# KiCad board latentpink.kicad_pcb (continued)
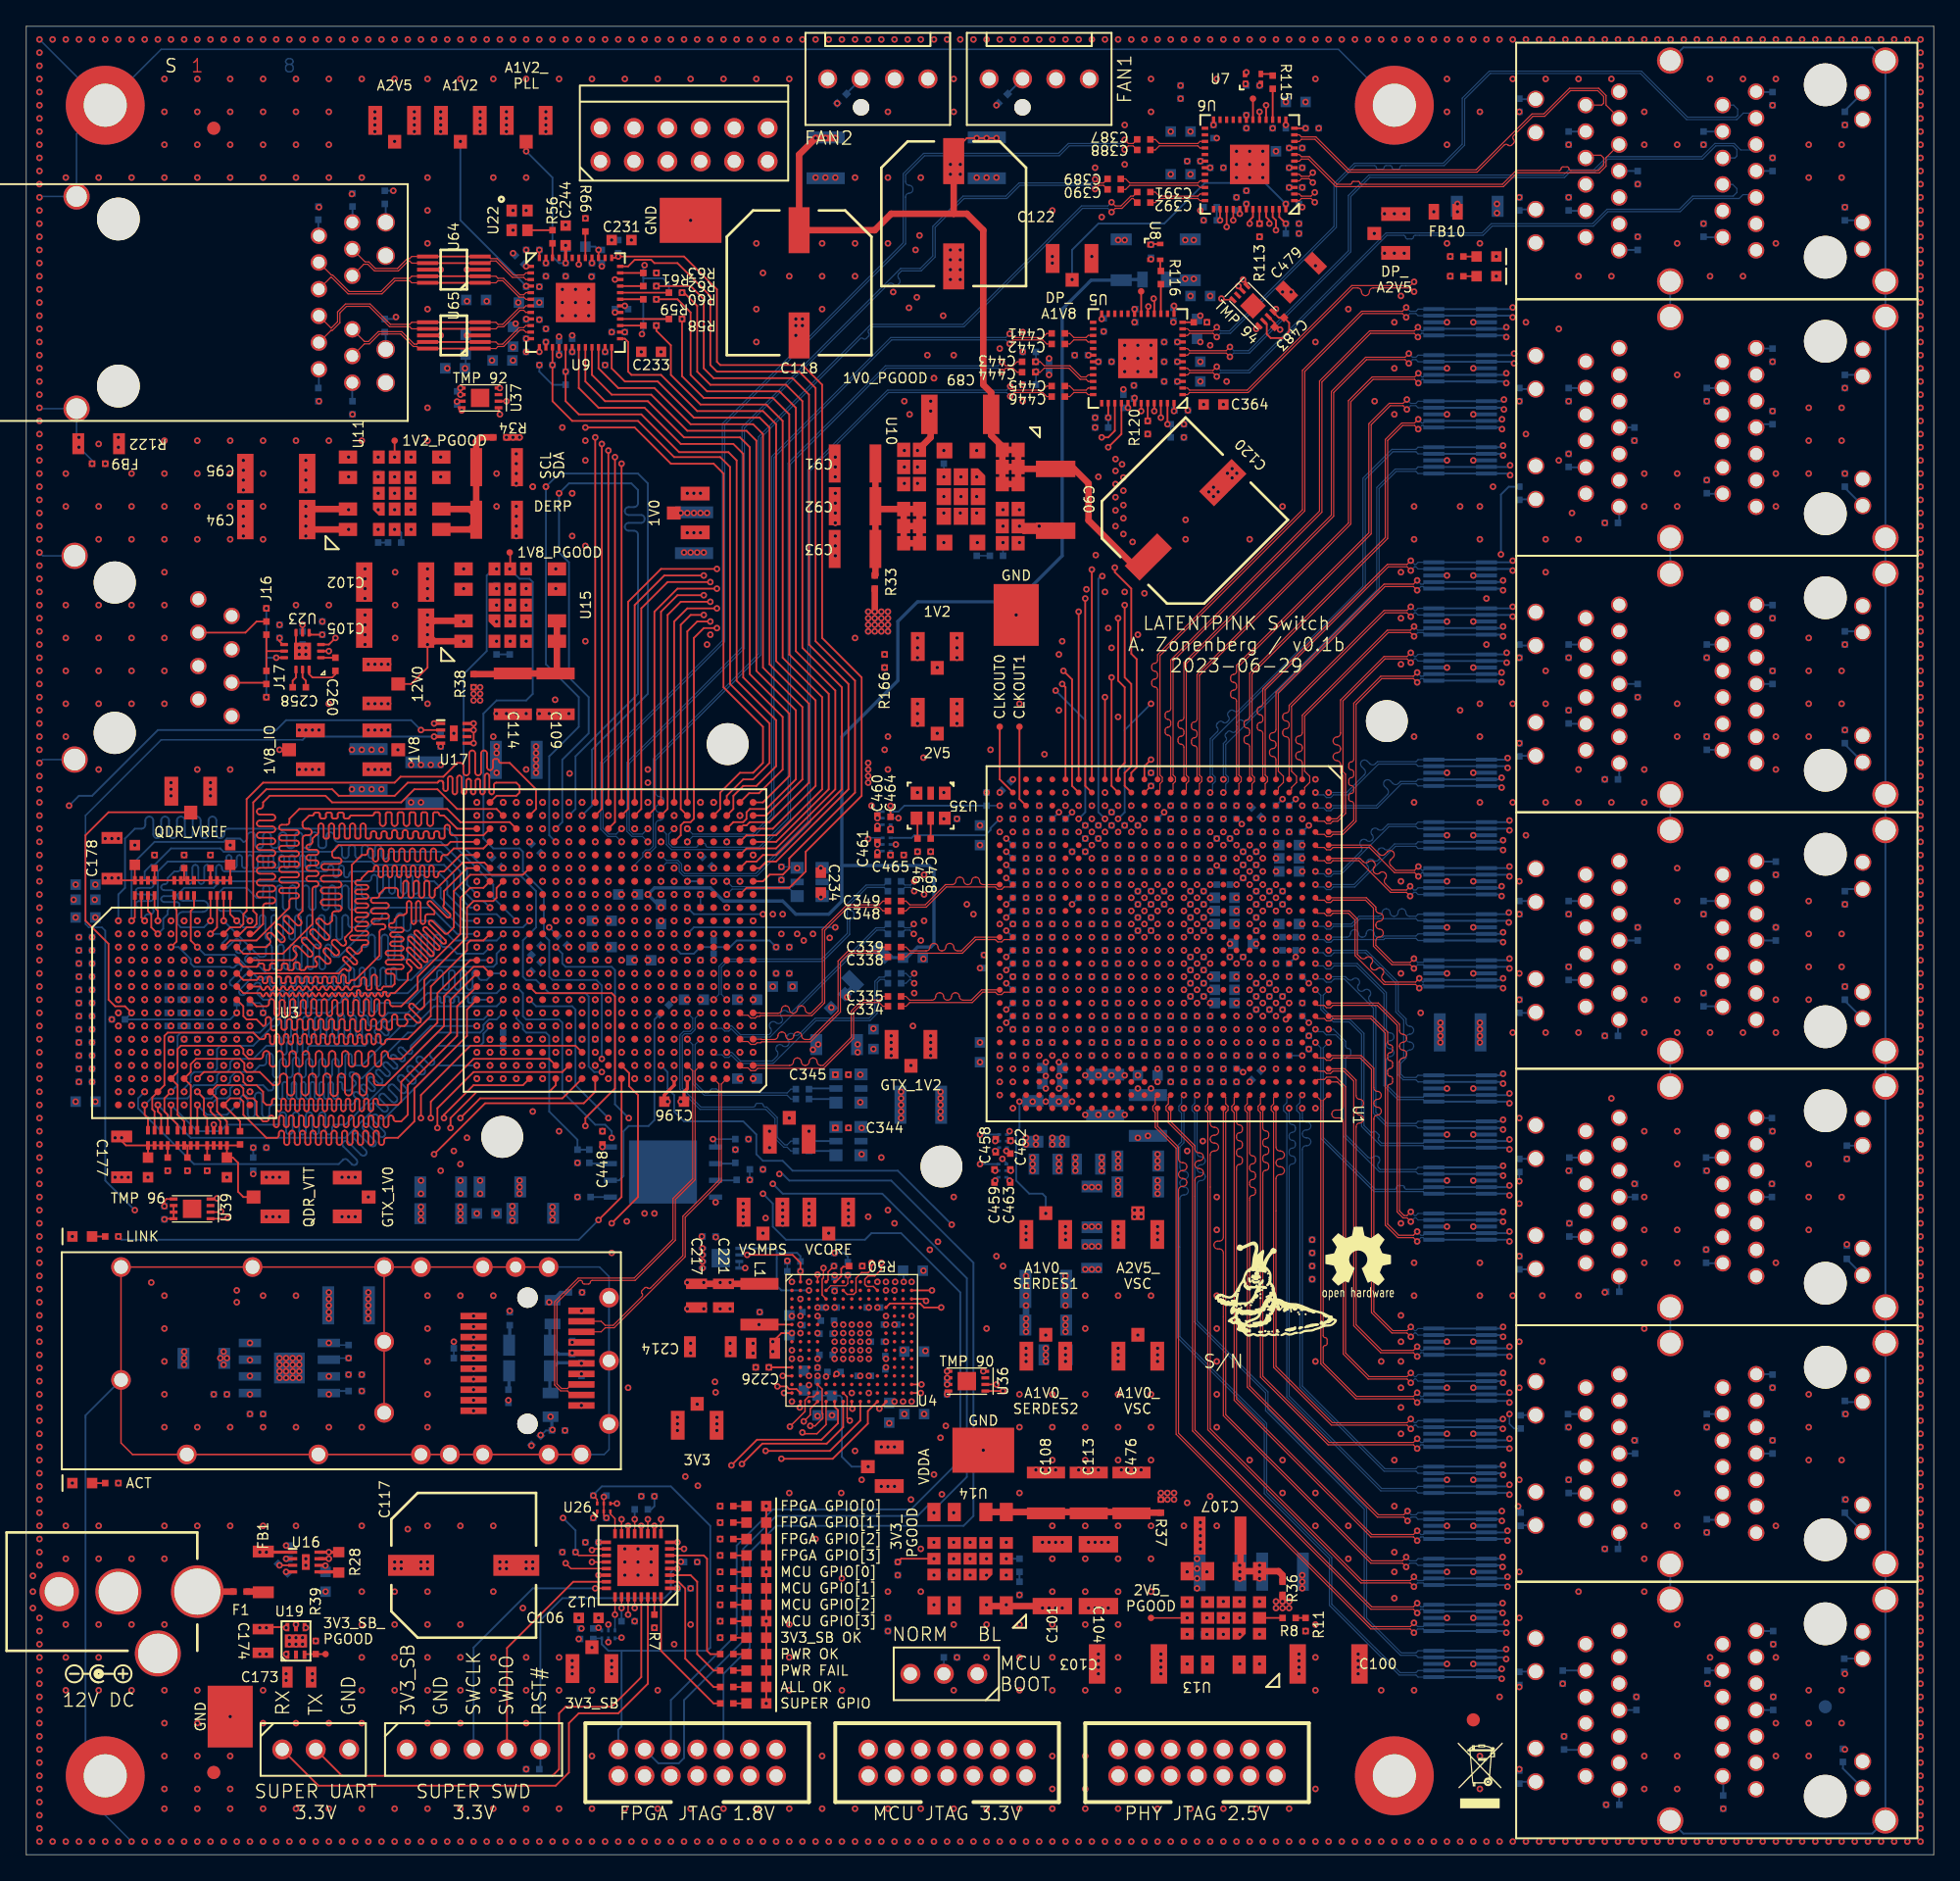
[diagram p0: board, top side]
## Routing (per net, layer and track width the routed paths; a pad name or vN(x,y) marks a point on that pad's centre or on a via; arc(x,y) is an arc through that point) (continued)
/FPGA/QDR SRAM/QDR_A18: length 47
  Top w0.14: v1(9,71) 8.75,71.25 RN2.6
  Bottom w0.14: v1(35.25,72) 34.75,72.5 34,72.5 33,73.5 33,74.75 31.5,76.25 27.75,76.25 arc(27.57,76.18) 27.5,76 27.5,75.95 arc(27.43,75.77) 27.25,75.7 arc(27.07,75.77) 27,75.95 27,76.5 arc(26.93,76.68) 26.75,76.75 arc(26.57,76.68) 26.5,76.5 26.5,76 arc(26.43,75.82) 26.25,75.75 arc(26.07,75.82) 26,76 26,76.5 arc(25.93,76.68) 25.75,76.75 arc(25.57,76.68) 25.5,76.5 25.5,76 arc(25.43,75.82) 25.25,75.75 arc(25.07,75.82) 25,76 25,76.5 arc(24.93,76.68) 24.75,76.75 arc(24.57,76.68) 24.5,76.5 24.5,76 arc(24.43,75.82) 24.25,75.75 arc(24.07,75.82) 24,76 24,76.5 arc(23.93,76.68) 23.75,76.75 arc(23.57,76.68) 23.5,76.5 arc(23.43,76.32) 23.25,76.25 15,76.25 14.75,76.5 11,76.5 9.75,75.25 9.5,75.25 9,74.75 9,74.25 arc(9.07,74.07) 9.25,74 9.43,74 arc(9.61,73.93) 9.68,73.75 arc(9.61,73.57) 9.43,73.5 8.57,73.5 arc(8.39,73.43) 8.32,73.25 arc(8.39,73.07) 8.57,73 9.43,73 arc(9.61,72.93) 9.68,72.75 arc(9.61,72.57) 9.43,72.5 8.57,72.5 arc(8.39,72.43) 8.32,72.25 arc(8.39,72.07) 8.57,72 9.43,72 arc(9.61,71.93) 9.68,71.75 arc(9.61,71.57) 9.43,71.5 9.25,71.5 arc(9.07,71.43) 9,71.25 v1(9,71)
/FPGA/QDR SRAM/QDR_A19: length 47.1
  Top w0.14: v1(16,71) 15.5,71.5 RN1.8
  Bottom w0.14: v1(16,71) 16.5,70.5 17.5,70.5 arc(17.66,70.57) 17.73,70.72 17.73,71.21 arc(17.79,71.37) 17.95,71.44 arc(18.11,71.37) 18.17,71.21 18.17,69.79 arc(18.24,69.63) 18.4,69.56 arc(18.56,69.63) 18.62,69.79 18.62,71.21 arc(18.69,71.37) 18.85,71.44 arc(19.01,71.37) 19.08,71.21 19.08,69.79 arc(19.14,69.63) 19.3,69.56 arc(19.46,69.63) 19.52,69.79 19.52,71.21 arc(19.59,71.37) 19.75,71.44 arc(19.91,71.37) 19.98,71.21 19.98,69.79 arc(20.04,69.63) 20.2,69.56 arc(20.36,69.63) 20.42,69.79 20.42,71.21 arc(20.49,71.37) 20.65,71.44 arc(20.81,71.37) 20.88,71.21 20.88,69.79 arc(20.94,69.63) 21.1,69.56 arc(21.26,69.63) 21.33,69.79 21.33,71.21 arc(21.39,71.37) 21.55,71.44 arc(21.71,71.37) 21.77,71.21 21.77,69.79 arc(21.84,69.63) 22,69.56 arc(22.16,69.63) 22.23,69.79 22.23,71.21 arc(22.29,71.37) 22.45,71.44 arc(22.61,71.37) 22.67,71.21 22.67,69.79 arc(22.74,69.63) 22.9,69.56 arc(23.06,69.63) 23.12,69.79 23.12,71.21 arc(23.19,71.37) 23.35,71.44 arc(23.51,71.37) 23.58,71.21 23.58,69.79 arc(23.64,69.63) 23.8,69.56 arc(23.96,69.63) 24.02,69.79 24.02,71.21 arc(24.09,71.37) 24.25,71.44 arc(24.41,71.37) 24.48,71.21 24.48,70.72 arc(24.54,70.57) 24.7,70.5 25,70.5 26.5,72 30.75,72 32.75,70 v1(34.25,70)
/FPGA/QDR SRAM/QDR_A20: length 46.6
  Top w0.14: RN2.5 8.25,71.25 v1(8,71)
  Bottom w0.14: v1(34.25,73) 33.5,73.75 33.5,75 31.5,77 23.7,77 arc(23.49,77.09) 23.4,77.3 23.4,77.43 arc(23.31,77.64) 23.1,77.73 arc(22.89,77.64) 22.8,77.43 22.8,76.76 arc(22.73,76.59) 22.56,76.52 22.44,76.52 arc(22.27,76.59) 22.2,76.76 22.2,77.43 arc(22.11,77.64) 21.9,77.73 arc(21.69,77.64) 21.6,77.43 21.6,76.76 arc(21.53,76.59) 21.36,76.52 21.24,76.52 arc(21.07,76.59) 21,76.76 21,77.43 arc(20.91,77.64) 20.7,77.73 arc(20.49,77.64) 20.4,77.43 20.4,76.76 arc(20.33,76.59) 20.16,76.52 20.04,76.52 arc(19.87,76.59) 19.8,76.76 19.8,77.43 arc(19.71,77.64) 19.5,77.73 arc(19.29,77.64) 19.2,77.43 19.2,76.76 arc(19.13,76.59) 18.96,76.52 18.84,76.52 arc(18.67,76.59) 18.6,76.76 18.6,77.43 arc(18.51,77.64) 18.3,77.73 arc(18.09,77.64) 18,77.43 18,76.76 arc(17.93,76.59) 17.76,76.52 17.64,76.52 arc(17.47,76.59) 17.4,76.76 17.4,77.43 arc(17.31,77.64) 17.1,77.73 arc(16.89,77.64) 16.8,77.43 16.8,77.3 arc(16.71,77.09) 16.5,77 16.25,77.25 15.25,77.25 15,77 9.75,77 8,75.25 v1(8,71)
/FPGA/QDR SRAM/QDR_BWS_0_N: length 41.6
  In2.Cu w0.115: v1(13,70) 13.5,70.5 13.5,71.25 14.2,71.95 14.2,75.45 14.5,75.75 14.5,76.9 15.2,77.6 20.6,77.6 21,78 22.6,78 arc(22.69,78.04) 22.73,78.12 arc(22.76,78.21) 22.85,78.25 23.05,78.25 arc(23.14,78.21) 23.17,78.12 23.17,77.88 arc(23.21,77.79) 23.3,77.75 23.5,77.75 arc(23.59,77.79) 23.62,77.88 23.62,78.12 arc(23.66,78.21) 23.75,78.25 23.95,78.25 arc(24.04,78.21) 24.08,78.12 24.08,77.88 arc(24.11,77.79) 24.2,77.75 24.4,77.75 arc(24.49,77.79) 24.52,77.88 24.52,78.12 arc(24.56,78.21) 24.65,78.25 24.85,78.25 arc(24.94,78.21) 24.98,78.12 24.98,77.88 arc(25.01,77.79) 25.1,77.75 25.3,77.75 arc(25.39,77.79) 25.42,77.88 25.42,78.12 arc(25.46,78.21) 25.55,78.25 25.75,78.25 arc(25.84,78.21) 25.88,78.12 25.88,77.88 arc(25.91,77.79) 26,77.75 26.2,77.75 arc(26.29,77.79) 26.33,77.88 26.33,78.12 arc(26.36,78.21) 26.45,78.25 26.65,78.25 arc(26.74,78.21) 26.77,78.12 26.77,77.88 arc(26.81,77.79) 26.9,77.75 27.1,77.75 arc(27.19,77.79) 27.22,77.88 27.22,78.12 arc(27.26,78.21) 27.35,78.25 27.55,78.25 arc(27.64,78.21) 27.67,78.12 27.67,77.88 arc(27.71,77.79) 27.8,77.75 28,77.75 arc(28.09,77.79) 28.12,77.88 28.12,78.12 arc(28.16,78.21) 28.25,78.25 28.45,78.25 arc(28.54,78.21) 28.58,78.12 28.58,77.88 arc(28.61,77.79) 28.7,77.75 28.9,77.75 arc(28.99,77.79) 29.03,77.88 29.03,78.12 arc(29.06,78.21) 29.15,78.25 29.35,78.25 arc(29.44,78.21) 29.47,78.12 29.47,77.88 arc(29.51,77.79) 29.6,77.75 29.8,77.75 arc(29.89,77.79) 29.92,77.88 29.92,78.12 arc(29.96,78.21) 30.05,78.25 30.25,78.25 arc(30.34,78.21) 30.38,78.12 30.38,77.88 arc(30.41,77.79) 30.5,77.75 30.7,77.75 arc(30.79,77.79) 30.83,77.88 30.83,78.12 arc(30.86,78.21) 30.95,78.25 31.15,78.25 arc(31.24,78.21) 31.28,78.12 31.28,77.88 arc(31.31,77.79) 31.4,77.75 31.6,77.75 arc(31.69,77.79) 31.72,77.88 31.72,78.12 arc(31.76,78.21) 31.85,78.25 32.05,78.25 arc(32.14,78.21) 32.17,78.12 32.17,77.88 arc(32.21,77.79) 32.3,77.75 32.5,77.75 arc(32.59,77.79) 32.62,77.88 32.62,78.12 arc(32.66,78.21) 32.75,78.25 32.95,78.25 arc(33.04,78.21) 33.08,78.12 33.08,77.88 arc(33.11,77.79) 33.2,77.75 33.4,77.75 arc(33.49,77.79) 33.53,77.88 33.53,78.12 arc(33.56,78.21) 33.65,78.25 33.85,78.25 arc(33.94,78.21) 33.97,78.12 33.97,77.88 arc(34.01,77.79) 34.1,77.75 34.3,77.75 arc(34.39,77.79) 34.42,77.88 34.42,78 34.43,78 34.43,78.12 arc(34.46,78.21) 34.55,78.25 34.75,78.25 arc(34.84,78.21) 34.88,78.12 arc(34.91,78.04) 35,78 35.5,78 36,77.5 36.75,77.5 v1(37.25,77)
/FPGA/QDR SRAM/QDR_BWS_1_N: length 43.9
  In2.Cu w0.115: v1(13,71) 13,71.6 arc(13.08,71.79) 13.27,71.88 13.38,71.88 arc(13.57,71.96) 13.65,72.15 arc(13.57,72.34) 13.38,72.42 12.67,72.42 arc(12.48,72.51) 12.4,72.7 arc(12.48,72.89) 12.67,72.97 13.38,72.97 arc(13.57,73.06) 13.65,73.25 arc(13.57,73.44) 13.38,73.53 12.67,73.53 arc(12.48,73.61) 12.4,73.8 arc(12.48,73.99) 12.67,74.08 13.38,74.08 arc(13.57,74.16) 13.65,74.35 arc(13.57,74.54) 13.38,74.62 12.95,74.62 arc(12.91,74.64) 12.9,74.67 12.9,75.12 arc(12.91,75.16) 12.95,75.17 13.38,75.17 arc(13.57,75.26) 13.65,75.45 arc(13.57,75.64) 13.38,75.72 13.27,75.72 arc(13.08,75.81) 13,76 13,76.4 15.1,78.5 15.4,78.5 arc(15.52,78.55) 15.57,78.67 arc(15.62,78.79) 15.74,78.84 15.85,78.84 arc(15.97,78.79) 16.02,78.67 16.02,78.5 16.02,78.5 16.02,78.33 arc(16.07,78.21) 16.19,78.16 16.31,78.16 arc(16.43,78.21) 16.48,78.33 16.48,78.67 arc(16.52,78.79) 16.64,78.84 16.76,78.84 arc(16.88,78.79) 16.92,78.67 16.92,78.33 arc(16.97,78.21) 17.09,78.16 17.21,78.16 arc(17.33,78.21) 17.38,78.33 17.38,78.67 arc(17.42,78.79) 17.54,78.84 17.66,78.84 arc(17.78,78.79) 17.83,78.67 17.83,78.33 arc(17.87,78.21) 17.99,78.16 18.11,78.16 arc(18.23,78.21) 18.27,78.33 18.27,78.67 arc(18.32,78.79) 18.44,78.84 18.56,78.84 arc(18.68,78.79) 18.73,78.67 18.73,78.33 arc(18.77,78.21) 18.89,78.16 19.01,78.16 arc(19.13,78.21) 19.17,78.33 19.17,78.67 arc(19.22,78.79) 19.34,78.84 19.46,78.84 arc(19.58,78.79) 19.62,78.67 arc(19.67,78.55) 19.79,78.5 36.75,78.5 37.75,77.5 38.75,77.5 v1(39.25,78)
/FPGA/QDR SRAM/QDR_BWS_2_N: length 40
  In2.Cu w0.115: v1(11,71) 11,72.75 11.25,73 11.25,78 11.75,78.5 12.5,78.5 13.5,79.5 14.75,79.5 15.75,80.5 19.9,80.5 arc(20.06,80.43) 20.12,80.28 20.12,80.17 arc(20.19,80.02) 20.35,79.95 arc(20.51,80.02) 20.58,80.17 20.58,80.62 arc(20.61,80.71) 20.7,80.75 20.9,80.75 arc(20.99,80.71) 21.02,80.62 21.02,80.17 arc(21.09,80.02) 21.25,79.95 arc(21.41,80.02) 21.48,80.17 21.48,80.62 arc(21.51,80.71) 21.6,80.75 21.8,80.75 arc(21.89,80.71) 21.92,80.62 21.92,80.17 arc(21.99,80.02) 22.15,79.95 arc(22.31,80.02) 22.38,80.17 22.38,80.62 arc(22.41,80.71) 22.5,80.75 22.7,80.75 arc(22.79,80.71) 22.83,80.62 22.83,80.17 arc(22.89,80.02) 23.05,79.95 arc(23.21,80.02) 23.27,80.17 23.27,80.28 arc(23.34,80.43) 23.5,80.5 23.75,80.5 24.25,80 28.25,80 29,80.75 34.75,80.75 36,79.5 36.75,79.5 v1(37.25,79)
/FPGA/QDR SRAM/QDR_BWS_3_N: length 42.4
  In2.Cu w0.115: v1(11,70) 11.5,69.5 14.25,69.5 14.5,69.75 14.5,71.25 14.75,71.5 14.75,75.25 16.75,77.25 22.58,77.25 arc(22.7,77.2) 22.75,77.08 arc(22.8,76.95) 22.92,76.9 23.13,76.9 arc(23.25,76.95) 23.3,77.08 23.3,77.37 arc(23.34,77.46) 23.42,77.5 23.73,77.5 arc(23.81,77.46) 23.85,77.37 23.85,77.08 arc(23.9,76.95) 24.02,76.9 24.23,76.9 arc(24.35,76.95) 24.4,77.08 24.4,77.4 arc(24.44,77.5) 24.55,77.55 24.8,77.55 arc(24.91,77.5) 24.95,77.4 24.95,77.08 arc(25,76.95) 25.12,76.9 25.33,76.9 arc(25.45,76.95) 25.5,77.08 25.5,77.4 arc(25.54,77.5) 25.65,77.55 25.9,77.55 arc(26.01,77.5) 26.05,77.4 26.05,77.08 arc(26.1,76.95) 26.22,76.9 26.43,76.9 arc(26.55,76.95) 26.6,77.08 26.6,77.37 arc(26.64,77.46) 26.72,77.5 27.03,77.5 arc(27.11,77.46) 27.15,77.37 27.15,77.08 arc(27.2,76.95) 27.32,76.9 27.53,76.9 arc(27.65,76.95) 27.7,77.08 27.7,77.37 arc(27.74,77.46) 27.82,77.5 28.13,77.5 arc(28.21,77.46) 28.25,77.37 28.25,77.08 arc(28.3,76.95) 28.42,76.9 28.63,76.9 arc(28.75,76.95) 28.8,77.08 28.8,77.37 arc(28.84,77.46) 28.92,77.5 29.23,77.5 arc(29.31,77.46) 29.35,77.37 29.35,77.08 arc(29.4,76.95) 29.52,76.9 29.73,76.9 arc(29.85,76.95) 29.9,77.08 29.9,77.42 arc(29.95,77.55) 30.07,77.6 30.28,77.6 arc(30.4,77.55) 30.45,77.42 30.45,77.08 arc(30.5,76.95) 30.62,76.9 30.83,76.9 arc(30.95,76.95) 31,77.08 31,77.37 arc(31.04,77.46) 31.12,77.5 31.43,77.5 arc(31.51,77.46) 31.55,77.37 31.55,77.08 arc(31.6,76.95) 31.72,76.9 31.93,76.9 arc(32.05,76.95) 32.1,77.08 32.1,77.37 arc(32.14,77.46) 32.22,77.5 32.53,77.5 arc(32.61,77.46) 32.65,77.37 32.65,77.08 arc(32.7,76.95) 32.82,76.9 33.03,76.9 arc(33.15,76.95) 33.2,77.08 33.2,77.37 arc(33.24,77.46) 33.32,77.5 33.63,77.5 arc(33.71,77.46) 33.75,77.37 33.75,77.08 arc(33.8,76.95) 33.92,76.9 34.13,76.9 arc(34.25,76.95) 34.3,77.08 34.3,77.25 34.3,77.4 arc(34.34,77.5) 34.45,77.55 34.7,77.55 arc(34.81,77.5) 34.85,77.4 arc(34.89,77.29) 35,77.25 35.5,77.25 35.75,77 v1(36.25,77)
/FPGA/QDR SRAM/QDR_CQ_N: length 54
  Bottom w0.14: v1(7,71) 7,73 7.5,73.5 7.5,77.25 8.25,78 8.75,78 arc(8.96,78.09) 9.05,78.3 9.05,78.62 arc(9.14,78.83) 9.35,78.92 arc(9.56,78.83) 9.65,78.62 9.65,77.58 arc(9.74,77.37) 9.95,77.28 arc(10.16,77.37) 10.25,77.58 10.25,78.62 arc(10.34,78.83) 10.55,78.92 arc(10.76,78.83) 10.85,78.62 10.85,77.58 arc(10.94,77.37) 11.15,77.28 arc(11.36,77.37) 11.45,77.58 11.45,78.62 arc(11.54,78.83) 11.75,78.92 arc(11.96,78.83) 12.05,78.62 12.05,77.58 arc(12.14,77.37) 12.35,77.28 arc(12.56,77.37) 12.65,77.58 12.65,78.62 arc(12.74,78.83) 12.95,78.92 arc(13.16,78.83) 13.25,78.62 13.25,77.58 arc(13.34,77.37) 13.55,77.28 arc(13.76,77.37) 13.85,77.58 13.85,78.62 arc(13.94,78.83) 14.15,78.92 arc(14.36,78.83) 14.45,78.62 14.45,77.58 arc(14.54,77.37) 14.75,77.28 arc(14.96,77.37) 15.05,77.58 15.05,77.7 arc(15.14,77.91) 15.35,78 32,78 32.75,77.25 32.75,76.5 35.5,73.75 35.5,72.75 v1(37.25,71)
/FPGA/QDR SRAM/QDR_CQ_P: length 54
  Bottom w0.14: v1(17,71) 16.25,71.75 14.75,71.75 14.5,72 14.5,73 15,73.5 16.75,73.5 17.5,72.75 17.75,72.75 arc(17.93,72.82) 18,73 18,73.44 arc(18.07,73.61) 18.25,73.69 arc(18.43,73.61) 18.5,73.44 18.5,72.06 arc(18.57,71.89) 18.75,71.81 arc(18.93,71.89) 19,72.06 19,73.44 arc(19.07,73.61) 19.25,73.69 arc(19.43,73.61) 19.5,73.44 19.5,72.06 arc(19.57,71.89) 19.75,71.81 arc(19.93,71.89) 20,72.06 20,73.44 arc(20.07,73.61) 20.25,73.69 arc(20.43,73.61) 20.5,73.44 20.5,72.06 arc(20.57,71.89) 20.75,71.81 arc(20.93,71.89) 21,72.06 21,73.44 arc(21.07,73.61) 21.25,73.69 arc(21.43,73.61) 21.5,73.44 21.5,72.06 arc(21.57,71.89) 21.75,71.81 arc(21.93,71.89) 22,72.06 22,73.44 arc(22.07,73.61) 22.25,73.69 arc(22.43,73.61) 22.5,73.44 22.5,72.06 arc(22.57,71.89) 22.75,71.81 arc(22.93,71.89) 23,72.06 23,73.44 arc(23.07,73.61) 23.25,73.69 arc(23.43,73.61) 23.5,73.44 23.5,72.06 arc(23.57,71.89) 23.75,71.81 arc(23.93,71.89) 24,72.06 24,73.44 arc(24.07,73.61) 24.25,73.69 arc(24.43,73.61) 24.5,73.44 24.5,72.06 arc(24.57,71.89) 24.75,71.81 arc(24.93,71.89) 25,72.06 25,73.44 arc(25.07,73.61) 25.25,73.69 arc(25.43,73.61) 25.5,73.44 25.5,73 arc(25.57,72.82) 25.75,72.75 30.75,72.75 33,70.5 37.75,70.5 v1(38.25,71)
/FPGA/QDR SRAM/QDR_D0: length 38
  In2.Cu w0.115: v1(16,58) 16.5,57.5 17.25,57.5 arc(17.34,57.54) 17.38,57.62 arc(17.41,57.71) 17.5,57.75 17.55,57.75 arc(17.64,57.71) 17.67,57.62 17.67,57.38 arc(17.71,57.29) 17.8,57.25 17.85,57.25 arc(17.94,57.29) 17.98,57.38 17.98,57.62 arc(18.01,57.71) 18.1,57.75 18.15,57.75 arc(18.24,57.71) 18.27,57.62 18.27,57.38 arc(18.31,57.29) 18.4,57.25 18.45,57.25 arc(18.54,57.29) 18.58,57.38 18.58,57.62 arc(18.61,57.71) 18.7,57.75 18.75,57.75 arc(18.84,57.71) 18.88,57.62 18.88,57.38 arc(18.91,57.29) 19,57.25 19.05,57.25 arc(19.14,57.29) 19.17,57.38 19.17,57.62 arc(19.21,57.71) 19.3,57.75 19.35,57.75 arc(19.44,57.71) 19.48,57.62 19.48,57.38 arc(19.51,57.29) 19.6,57.25 19.65,57.25 arc(19.74,57.29) 19.77,57.38 19.77,57.62 arc(19.81,57.71) 19.9,57.75 19.95,57.75 arc(20.04,57.71) 20.08,57.62 20.08,57.38 arc(20.11,57.29) 20.2,57.25 20.25,57.25 arc(20.34,57.29) 20.38,57.38 20.38,57.62 arc(20.41,57.71) 20.5,57.75 20.55,57.75 arc(20.64,57.71) 20.67,57.62 arc(20.71,57.54) 20.8,57.5 21,57.5 21.5,58 arc(21.61,58.04) 21.65,58.15 21.65,58.59 arc(21.69,58.69) 21.8,58.74 arc(21.91,58.69) 21.95,58.59 21.95,57.41 arc(21.99,57.31) 22.1,57.26 arc(22.21,57.31) 22.25,57.41 22.25,58.09 arc(22.28,58.16) 22.34,58.19 22.46,58.19 arc(22.52,58.16) 22.55,58.09 22.55,57.41 arc(22.59,57.31) 22.7,57.26 arc(22.81,57.31) 22.85,57.41 22.85,58.09 arc(22.88,58.16) 22.94,58.19 23.06,58.19 arc(23.12,58.16) 23.15,58.09 23.15,57.41 arc(23.19,57.31) 23.3,57.26 arc(23.41,57.31) 23.45,57.41 23.45,58.12 arc(23.48,58.2) 23.57,58.24 23.63,58.24 arc(23.72,58.2) 23.75,58.12 23.75,57.41 arc(23.79,57.31) 23.9,57.26 arc(24.01,57.31) 24.05,57.41 24.05,58.14 arc(24.09,58.25) 24.19,58.29 24.21,58.29 arc(24.31,58.25) 24.35,58.14 24.35,57.41 arc(24.39,57.31) 24.5,57.26 arc(24.61,57.31) 24.65,57.41 24.65,58.12 arc(24.68,58.2) 24.77,58.24 24.83,58.24 arc(24.92,58.2) 24.95,58.12 24.95,57.41 arc(24.99,57.31) 25.1,57.26 arc(25.21,57.31) 25.25,57.41 25.25,58.09 arc(25.28,58.16) 25.34,58.19 25.46,58.19 arc(25.52,58.16) 25.55,58.09 25.55,57.41 arc(25.59,57.31) 25.7,57.26 arc(25.81,57.31) 25.85,57.41 25.85,57.85 arc(25.89,57.96) 26,58 35.25,58 v1(36.25,59)
/FPGA/QDR SRAM/QDR_D1: length 38.1
  In2.Cu w0.115: v1(35.25,60) 34.75,60.5 33.5,60.5 33.25,60.75 32.8,60.75 arc(32.66,60.69) 32.6,60.55 32.6,60.5 arc(32.54,60.36) 32.4,60.3 arc(32.26,60.36) 32.2,60.5 32.2,61 arc(32.14,61.14) 32,61.2 arc(31.86,61.14) 31.8,61 31.8,60.5 arc(31.74,60.36) 31.6,60.3 arc(31.46,60.36) 31.4,60.5 31.4,61 arc(31.34,61.14) 31.2,61.2 arc(31.06,61.14) 31,61 31,60.5 arc(30.94,60.36) 30.8,60.3 arc(30.66,60.36) 30.6,60.5 30.6,61 arc(30.54,61.14) 30.4,61.2 arc(30.26,61.14) 30.2,61 30.2,60.5 arc(30.14,60.36) 30,60.3 arc(29.86,60.36) 29.8,60.5 29.8,61 arc(29.74,61.14) 29.6,61.2 arc(29.46,61.14) 29.4,61 29.4,60.5 arc(29.34,60.36) 29.2,60.3 arc(29.06,60.36) 29,60.5 29,61 arc(28.94,61.14) 28.8,61.2 arc(28.66,61.14) 28.6,61 28.6,60.5 arc(28.54,60.36) 28.4,60.3 arc(28.26,60.36) 28.2,60.5 28.2,61 arc(28.14,61.14) 28,61.2 arc(27.86,61.14) 27.8,61 27.8,60.5 arc(27.74,60.36) 27.6,60.3 arc(27.46,60.36) 27.4,60.5 27.4,61 arc(27.34,61.14) 27.2,61.2 arc(27.06,61.14) 27,61 27,60.5 arc(26.94,60.36) 26.8,60.3 arc(26.66,60.36) 26.6,60.5 26.6,61 arc(26.54,61.14) 26.4,61.2 arc(26.26,61.14) 26.2,61 26.2,60.5 arc(26.14,60.36) 26,60.3 arc(25.86,60.36) 25.8,60.5 25.8,61 arc(25.74,61.14) 25.6,61.2 arc(25.46,61.14) 25.4,61 25.4,60.5 arc(25.34,60.36) 25.2,60.3 arc(25.06,60.36) 25,60.5 25,61 arc(24.94,61.14) 24.8,61.2 arc(24.66,61.14) 24.6,61 24.6,60.5 arc(24.54,60.36) 24.4,60.3 arc(24.26,60.36) 24.2,60.5 24.2,61 arc(24.14,61.14) 24,61.2 arc(23.86,61.14) 23.8,61 23.8,60.5 arc(23.74,60.36) 23.6,60.3 arc(23.46,60.36) 23.4,60.5 23.4,61 arc(23.34,61.14) 23.2,61.2 arc(23.06,61.14) 23,61 23,60.5 arc(22.94,60.36) 22.8,60.3 arc(22.66,60.36) 22.6,60.5 22.6,61 arc(22.54,61.14) 22.4,61.2 arc(22.26,61.14) 22.2,61 22.2,60.95 arc(22.14,60.81) 22,60.75 21.75,60.75 20.25,59.25 17.25,59.25 v1(17,59)
/FPGA/QDR SRAM/QDR_D2: length 38.4
  In2.Cu w0.115: v1(17,60) 17.5,60 arc(17.59,60.04) 17.62,60.12 arc(17.66,60.21) 17.75,60.25 17.8,60.25 arc(17.89,60.21) 17.92,60.12 17.92,59.65 arc(17.97,59.54) 18.08,59.5 arc(18.18,59.54) 18.23,59.65 18.23,60.12 arc(18.26,60.21) 18.35,60.25 18.4,60.25 arc(18.49,60.21) 18.52,60.12 18.52,59.65 arc(18.57,59.54) 18.67,59.5 arc(18.78,59.54) 18.83,59.65 18.83,60.12 arc(18.86,60.21) 18.95,60.25 19,60.25 arc(19.09,60.21) 19.12,60.12 19.12,59.65 arc(19.17,59.54) 19.27,59.5 arc(19.38,59.54) 19.42,59.65 19.42,60.12 arc(19.46,60.21) 19.55,60.25 19.6,60.25 arc(19.69,60.21) 19.73,60.12 19.73,59.65 arc(19.77,59.54) 19.88,59.5 arc(19.98,59.54) 20.02,59.65 20.02,59.85 arc(20.07,59.96) 20.17,60 20.25,60 22,61.75 22.25,61.75 arc(22.37,61.8) 22.42,61.92 arc(22.47,62.05) 22.6,62.1 22.6,62.1 arc(22.72,62.05) 22.77,61.92 22.77,61.75 22.77,61.75 22.77,61.58 arc(22.83,61.45) 22.95,61.4 22.95,61.4 arc(23.07,61.45) 23.12,61.58 23.12,61.92 arc(23.18,62.05) 23.3,62.1 23.3,62.1 arc(23.42,62.05) 23.48,61.92 23.48,61.58 arc(23.53,61.45) 23.65,61.4 23.65,61.4 arc(23.77,61.45) 23.83,61.58 23.83,61.92 arc(23.88,62.05) 24,62.1 24,62.1 arc(24.12,62.05) 24.17,61.92 24.17,61.58 arc(24.23,61.45) 24.35,61.4 24.35,61.4 arc(24.47,61.45) 24.52,61.58 24.52,61.92 arc(24.58,62.05) 24.7,62.1 24.7,62.1 arc(24.82,62.05) 24.88,61.92 24.88,61.58 arc(24.93,61.45) 25.05,61.4 25.05,61.4 arc(25.17,61.45) 25.23,61.58 25.23,61.92 arc(25.28,62.05) 25.4,62.1 25.4,62.1 arc(25.52,62.05) 25.58,61.92 25.58,61.58 arc(25.63,61.45) 25.75,61.4 25.75,61.4 arc(25.87,61.45) 25.92,61.58 25.92,61.92 arc(25.98,62.05) 26.1,62.1 26.1,62.1 arc(26.22,62.05) 26.27,61.92 26.27,61.58 arc(26.33,61.45) 26.45,61.4 26.45,61.4 arc(26.57,61.45) 26.62,61.58 26.62,61.92 arc(26.68,62.05) 26.8,62.1 26.8,62.1 arc(26.92,62.05) 26.98,61.92 26.98,61.58 arc(27.03,61.45) 27.15,61.4 27.15,61.4 arc(27.27,61.45) 27.33,61.58 27.33,61.92 arc(27.38,62.05) 27.5,62.1 27.5,62.1 arc(27.62,62.05) 27.67,61.92 27.67,61.58 arc(27.73,61.45) 27.85,61.4 27.85,61.4 arc(27.97,61.45) 28.03,61.58 28.03,61.92 arc(28.08,62.05) 28.2,62.1 28.2,62.1 arc(28.32,62.05) 28.38,61.92 28.38,61.58 arc(28.43,61.45) 28.55,61.4 28.55,61.4 arc(28.67,61.45) 28.72,61.58 28.72,61.92 arc(28.78,62.05) 28.9,62.1 28.9,62.1 arc(29.02,62.05) 29.08,61.92 29.08,61.58 arc(29.13,61.45) 29.25,61.4 29.25,61.4 arc(29.37,61.45) 29.42,61.58 29.42,61.92 arc(29.48,62.05) 29.6,62.1 29.6,62.1 arc(29.72,62.05) 29.78,61.92 29.78,61.58 arc(29.83,61.45) 29.95,61.4 29.95,61.4 arc(30.07,61.45) 30.12,61.58 30.12,61.92 arc(30.18,62.05) 30.3,62.1 30.3,62.1 arc(30.42,62.05) 30.47,61.92 30.47,61.58 arc(30.53,61.45) 30.65,61.4 30.65,61.4 arc(30.77,61.45) 30.83,61.58 30.83,61.92 arc(30.88,62.05) 31,62.1 31,62.1 arc(31.12,62.05) 31.17,61.92 31.17,61.58 arc(31.23,61.45) 31.35,61.4 31.35,61.4 arc(31.47,61.45) 31.53,61.58 31.53,61.92 arc(31.58,62.05) 31.7,62.1 31.7,62.1 arc(31.82,62.05) 31.88,61.92 31.88,61.58 arc(31.93,61.45) 32.05,61.4 32.05,61.4 arc(32.17,61.45) 32.22,61.58 arc(32.28,61.7) 32.4,61.75 33,61.75 33.75,61 v1(34.25,61)
/FPGA/QDR SRAM/QDR_D3: length 42.9
  In2.Cu w0.115: v1(41.25,65) 40.75,64.5 39.75,64.5 38.75,65.5 35,65.5 34.5,66 34.5,67.25 34.25,67.5 33.82,67.5 arc(33.74,67.54) 33.7,67.62 arc(33.66,67.71) 33.58,67.74 33.42,67.74 arc(33.34,67.71) 33.3,67.62 33.3,67.26 arc(33.24,67.11) 33.1,67.06 arc(32.96,67.11) 32.9,67.26 32.9,67.74 arc(32.84,67.89) 32.7,67.94 arc(32.56,67.89) 32.5,67.74 32.5,67.26 arc(32.44,67.11) 32.3,67.06 arc(32.16,67.11) 32.1,67.26 32.1,67.74 arc(32.04,67.89) 31.9,67.94 arc(31.76,67.89) 31.7,67.74 31.7,67.26 arc(31.64,67.11) 31.5,67.06 arc(31.36,67.11) 31.3,67.26 31.3,67.74 arc(31.24,67.89) 31.1,67.94 arc(30.96,67.89) 30.9,67.74 30.9,67.26 arc(30.84,67.11) 30.7,67.06 arc(30.56,67.11) 30.5,67.26 30.5,67.74 arc(30.44,67.89) 30.3,67.94 arc(30.16,67.89) 30.1,67.74 30.1,67.26 arc(30.04,67.11) 29.9,67.06 arc(29.76,67.11) 29.7,67.26 29.7,67.74 arc(29.64,67.89) 29.5,67.94 arc(29.36,67.89) 29.3,67.74 29.3,67.26 arc(29.24,67.11) 29.1,67.06 arc(28.96,67.11) 28.9,67.26 28.9,67.74 arc(28.84,67.89) 28.7,67.94 arc(28.56,67.89) 28.5,67.74 28.5,67.26 arc(28.44,67.11) 28.3,67.06 arc(28.16,67.11) 28.1,67.26 28.1,67.74 arc(28.04,67.89) 27.9,67.94 arc(27.76,67.89) 27.7,67.74 27.7,67.7 arc(27.64,67.56) 27.5,67.5 27.25,67.25 21.25,67.25 21,67 21,65.75 19.75,64.5 19.75,63.25 19,62.5 18.9,62.5 arc(18.81,62.46) 18.77,62.38 arc(18.74,62.29) 18.65,62.25 18.55,62.25 arc(18.46,62.29) 18.42,62.38 18.42,62.62 arc(18.39,62.71) 18.3,62.75 18.2,62.75 arc(18.11,62.71) 18.08,62.62 18.08,62.38 arc(18.04,62.29) 17.95,62.25 17.85,62.25 arc(17.76,62.29) 17.73,62.38 17.73,62.62 arc(17.69,62.71) 17.6,62.75 17.5,62.75 arc(17.41,62.71) 17.38,62.62 arc(17.34,62.54) 17.25,62.5 16.5,62.5 v1(16,62)
/FPGA/QDR SRAM/QDR_D4: length 42.7
  In2.Cu w0.115: v1(40.25,65) 39.75,65.5 39.75,66.25 39.5,66.5 37.85,66.5 arc(37.66,66.58) 37.58,66.78 37.58,67.78 arc(37.49,67.97) 37.3,68.05 arc(37.11,67.97) 37.03,67.78 37.03,66.78 arc(36.94,66.58) 36.75,66.5 36,66.5 34.5,68 33.25,68 33,68.25 27.58,68.25 arc(27.45,68.3) 27.4,68.42 27.4,68.66 arc(27.35,68.78) 27.22,68.83 arc(27.1,68.78) 27.05,68.66 27.05,67.84 arc(27,67.72) 26.88,67.67 arc(26.75,67.72) 26.7,67.84 26.7,68.56 arc(26.65,68.68) 26.52,68.73 arc(26.4,68.68) 26.35,68.56 26.35,67.84 arc(26.3,67.72) 26.17,67.67 arc(26.05,67.72) 26,67.84 26,68.42 arc(25.95,68.54) 25.83,68.58 25.82,68.58 arc(25.7,68.54) 25.65,68.42 25.65,67.84 arc(25.6,67.72) 25.48,67.67 arc(25.35,67.72) 25.3,67.84 25.3,68.39 arc(25.26,68.49) 25.16,68.53 25.09,68.53 arc(24.99,68.49) 24.95,68.39 24.95,67.84 arc(24.9,67.72) 24.77,67.67 arc(24.65,67.72) 24.6,67.84 24.6,68.37 arc(24.57,68.45) 24.48,68.48 24.37,68.48 arc(24.28,68.45) 24.25,68.37 24.25,67.84 arc(24.2,67.72) 24.08,67.67 arc(23.95,67.72) 23.9,67.84 23.9,68.37 arc(23.87,68.45) 23.78,68.48 23.67,68.48 arc(23.58,68.45) 23.55,68.37 23.55,67.84 arc(23.5,67.72) 23.38,67.67 arc(23.25,67.72) 23.2,67.84 23.2,68.39 arc(23.16,68.49) 23.06,68.53 22.99,68.53 arc(22.89,68.49) 22.85,68.39 22.85,67.84 arc(22.8,67.72) 22.67,67.67 arc(22.55,67.72) 22.5,67.84 22.5,68.25 22.49,68.25 22.49,68.39 arc(22.45,68.49) 22.35,68.53 22.28,68.53 arc(22.18,68.49) 22.14,68.39 arc(22.1,68.29) 22,68.25 21.75,68.25 21.25,67.75 20.75,67.75 20.5,67.5 20.5,66 19.25,64.75 19.25,63.75 18.5,63 v1(17,63)
/FPGA/QDR SRAM/QDR_D5: length 49.4
  Top w0.14: U3.G11 17.5,64.5 18.25,64.5 arc(18.39,64.56) 18.45,64.7 18.45,64.84 arc(18.51,64.99) 18.65,65.04 arc(18.79,64.99) 18.85,64.84 18.85,63.96 arc(18.91,63.81) 19.05,63.76 arc(19.19,63.81) 19.25,63.96 19.25,64.79 arc(19.31,64.94) 19.45,64.99 arc(19.59,64.94) 19.65,64.79 19.65,63.96 arc(19.71,63.81) 19.85,63.76 arc(19.99,63.81) 20.05,63.96 20.05,64.84 arc(20.11,64.99) 20.25,65.04 arc(20.39,64.99) 20.45,64.84 20.45,63.96 arc(20.51,63.81) 20.65,63.76 arc(20.79,63.81) 20.85,63.96 20.85,64.79 arc(20.91,64.94) 21.05,64.99 arc(21.19,64.94) 21.25,64.79 21.25,63.96 arc(21.31,63.81) 21.45,63.76 arc(21.59,63.81) 21.65,63.96 21.65,64.84 arc(21.71,64.99) 21.85,65.04 arc(21.99,64.99) 22.05,64.84 22.05,63.96 arc(22.11,63.81) 22.25,63.76 arc(22.39,63.81) 22.45,63.96 22.45,64.84 arc(22.51,64.99) 22.65,65.04 arc(22.79,64.99) 22.85,64.84 22.85,63.96 arc(22.91,63.81) 23.05,63.76 arc(23.19,63.81) 23.25,63.96 23.25,64.79 arc(23.31,64.94) 23.45,64.99 arc(23.59,64.94) 23.65,64.79 23.65,63.96 arc(23.71,63.81) 23.85,63.76 arc(23.99,63.81) 24.05,63.96 24.05,64.84 arc(24.11,64.99) 24.25,65.04 arc(24.39,64.99) 24.45,64.84 24.45,63.96 arc(24.51,63.81) 24.65,63.76 arc(24.79,63.81) 24.85,63.96 24.85,64.79 arc(24.91,64.94) 25.05,64.99 arc(25.19,64.94) 25.25,64.79 25.25,63.96 arc(25.31,63.81) 25.45,63.76 arc(25.59,63.81) 25.65,63.96 25.65,64.84 arc(25.71,64.99) 25.85,65.04 arc(25.99,64.99) 26.05,64.84 26.05,63.96 arc(26.11,63.81) 26.25,63.76 arc(26.39,63.81) 26.45,63.96 26.45,64.84 arc(26.51,64.99) 26.65,65.04 arc(26.79,64.99) 26.85,64.84 26.85,63.96 arc(26.91,63.81) 27.05,63.76 arc(27.19,63.81) 27.25,63.96 27.25,64.79 arc(27.31,64.94) 27.45,64.99 arc(27.59,64.94) 27.65,64.79 27.65,64.7 arc(27.71,64.56) 27.85,64.5 28.5,64.5 29.75,65.75 29.75,66.75 33,70 33,72.75 33.75,73.5 34.75,73.5 U2.T21
/FPGA/QDR SRAM/QDR_D6: length 48.4
  Top w0.14: U3.E10 16.5,66.5 17.5,66.5 arc(17.59,66.54) 17.62,66.62 arc(17.66,66.71) 17.75,66.75 17.85,66.75 arc(17.94,66.71) 17.98,66.62 17.98,66.38 arc(18.01,66.29) 18.1,66.25 18.2,66.25 arc(18.29,66.29) 18.33,66.38 18.33,66.62 arc(18.36,66.71) 18.45,66.75 18.55,66.75 arc(18.64,66.71) 18.67,66.62 18.67,66.38 arc(18.71,66.29) 18.8,66.25 18.9,66.25 arc(18.99,66.29) 19.02,66.38 19.02,66.62 arc(19.06,66.71) 19.15,66.75 19.25,66.75 arc(19.34,66.71) 19.38,66.62 19.38,66.38 arc(19.41,66.29) 19.5,66.25 19.6,66.25 arc(19.69,66.29) 19.73,66.38 19.73,66.62 arc(19.76,66.71) 19.85,66.75 19.95,66.75 arc(20.04,66.71) 20.08,66.62 20.08,66.38 arc(20.11,66.29) 20.2,66.25 20.3,66.25 arc(20.39,66.29) 20.42,66.38 20.42,66.62 arc(20.46,66.71) 20.55,66.75 20.65,66.75 arc(20.74,66.71) 20.77,66.62 20.77,66.38 arc(20.81,66.29) 20.9,66.25 21,66.25 arc(21.09,66.29) 21.12,66.38 21.12,66.62 arc(21.16,66.71) 21.25,66.75 21.35,66.75 arc(21.44,66.71) 21.48,66.62 21.48,66.38 arc(21.51,66.29) 21.6,66.25 21.7,66.25 arc(21.79,66.29) 21.83,66.38 21.83,66.62 arc(21.86,66.71) 21.95,66.75 22.05,66.75 arc(22.14,66.71) 22.17,66.62 22.17,66.38 arc(22.21,66.29) 22.3,66.25 22.4,66.25 arc(22.49,66.29) 22.52,66.38 22.52,66.62 arc(22.56,66.71) 22.65,66.75 22.75,66.75 arc(22.84,66.71) 22.88,66.62 22.88,66.38 arc(22.91,66.29) 23,66.25 23.1,66.25 arc(23.19,66.29) 23.23,66.38 23.23,66.62 arc(23.26,66.71) 23.35,66.75 23.45,66.75 arc(23.54,66.71) 23.58,66.62 23.58,66.38 arc(23.61,66.29) 23.7,66.25 23.8,66.25 arc(23.89,66.29) 23.92,66.38 23.92,66.72 arc(23.98,66.85) 24.1,66.9 arc(24.22,66.85) 24.27,66.72 24.27,66.38 arc(24.31,66.29) 24.4,66.25 24.5,66.25 arc(24.59,66.29) 24.62,66.38 arc(24.66,66.46) 24.75,66.5 25,66.5 26.85,68.35 26.85,70.15 arc(26.91,70.29) 27.05,70.35 27.1,70.35 arc(27.25,70.41) 27.3,70.55 arc(27.25,70.69) 27.1,70.75 26.45,70.75 arc(26.3,70.81) 26.25,70.95 arc(26.3,71.09) 26.45,71.15 27.35,71.15 arc(27.5,71.21) 27.55,71.35 arc(27.5,71.49) 27.35,71.55 26.4,71.55 arc(26.25,71.61) 26.2,71.75 arc(26.25,71.89) 26.4,71.95 27.35,71.95 arc(27.5,72.01) 27.55,72.15 arc(27.5,72.29) 27.35,72.35 26.4,72.35 arc(26.25,72.41) 26.2,72.55 arc(26.25,72.69) 26.4,72.75 26.65,72.75 arc(26.79,72.81) 26.85,72.95 26.85,73.05 27.3,73.5 28.05,73.5 arc(28.19,73.44) 28.25,73.3 28.25,72.95 arc(28.31,72.81) 28.45,72.75 arc(28.59,72.81) 28.65,72.95 28.65,73.85 arc(28.71,73.99) 28.85,74.05 arc(28.99,73.99) 29.05,73.85 29.05,72.95 arc(29.11,72.81) 29.25,72.75 arc(29.39,72.81) 29.45,72.95 29.45,73.85 arc(29.51,73.99) 29.65,74.05 arc(29.79,73.99) 29.85,73.85 29.85,72.95 arc(29.91,72.81) 30.05,72.75 arc(30.19,72.81) 30.25,72.95 30.25,73.85 arc(30.31,73.99) 30.45,74.05 arc(30.59,73.99) 30.65,73.85 30.65,72.95 arc(30.71,72.81) 30.85,72.75 arc(30.99,72.81) 31.05,72.95 31.05,73.3 arc(31.11,73.44) 31.25,73.5 33.17,75.42 34.83,75.42 U2.U21